# Allegro board HY_UART_DBUG_V20_230103.brd (continued)
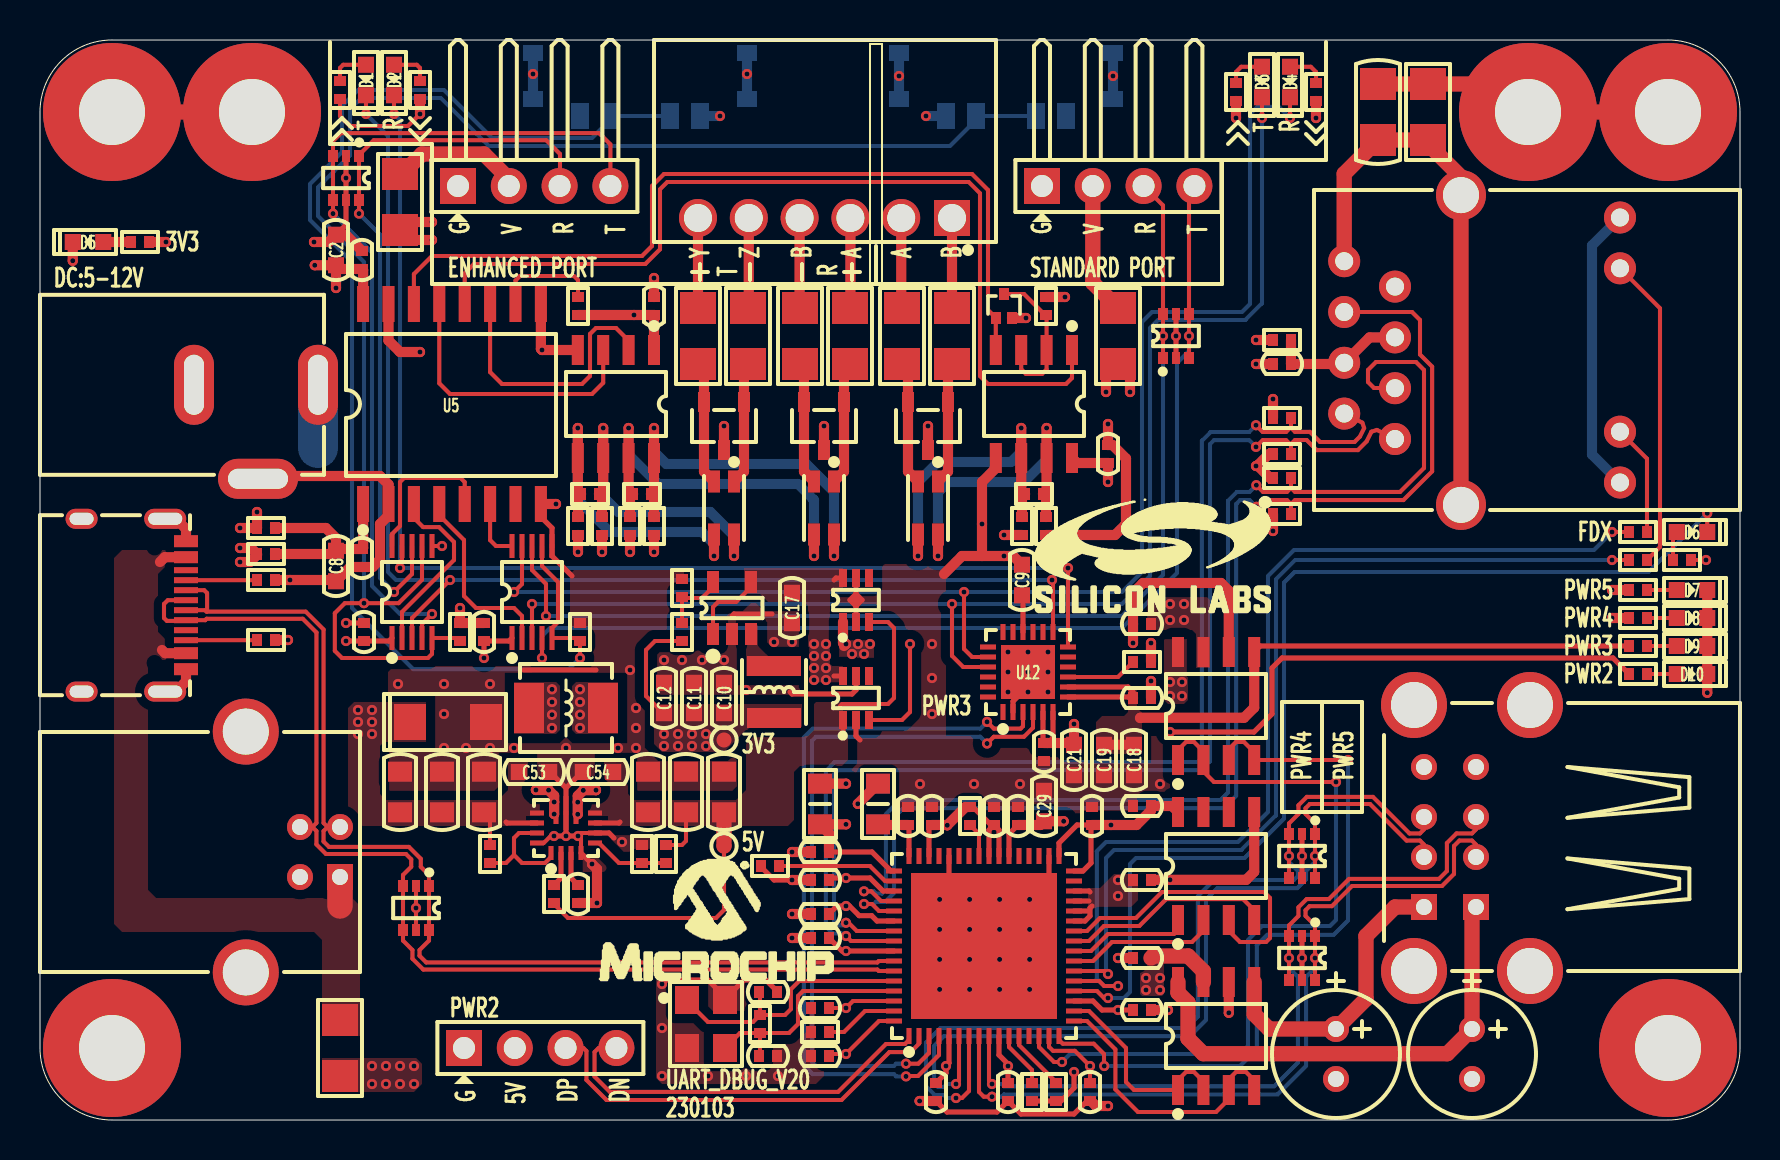
[diagram p0: board, top side]
## Text on the board (continued)
DIMENSION: FIGURE | FINISHED_SIZE | 0.254 | 0.8 | 0.9 | 1.1 | 1.4 | 1.8 | 2.3 | 3.3 | 1.2x0.6 | 1.7x0.6 | 3.0x1.0 | DRILL CHART: TOP to BOTTOM | ALL UNITS ARE IN MILLIMETERS | ROTATION | - | 0.000 | 90.000 | PLATED | QTY | 288 | 16 | 12 | 6 | 2 | 1 | 355 | TOTAL HOLES:
